# Altium PCB STM32-ROMI_Rev_A_Reworks.PcbDoc (part 1 of 2)
Units mil, origin at the board's own origin, x right, y up, seen from the top; angles counter-clockwise.
Board outline 3630.03 x 5139.28 mil, 4 copper layers (Top Copper, GND1, Power1, Bottom Copper), stack 61.811 mil thick; 199 components, 162 nets, 718 pads, 364 vias.
Unrouted connection lines stored in the file: 8.
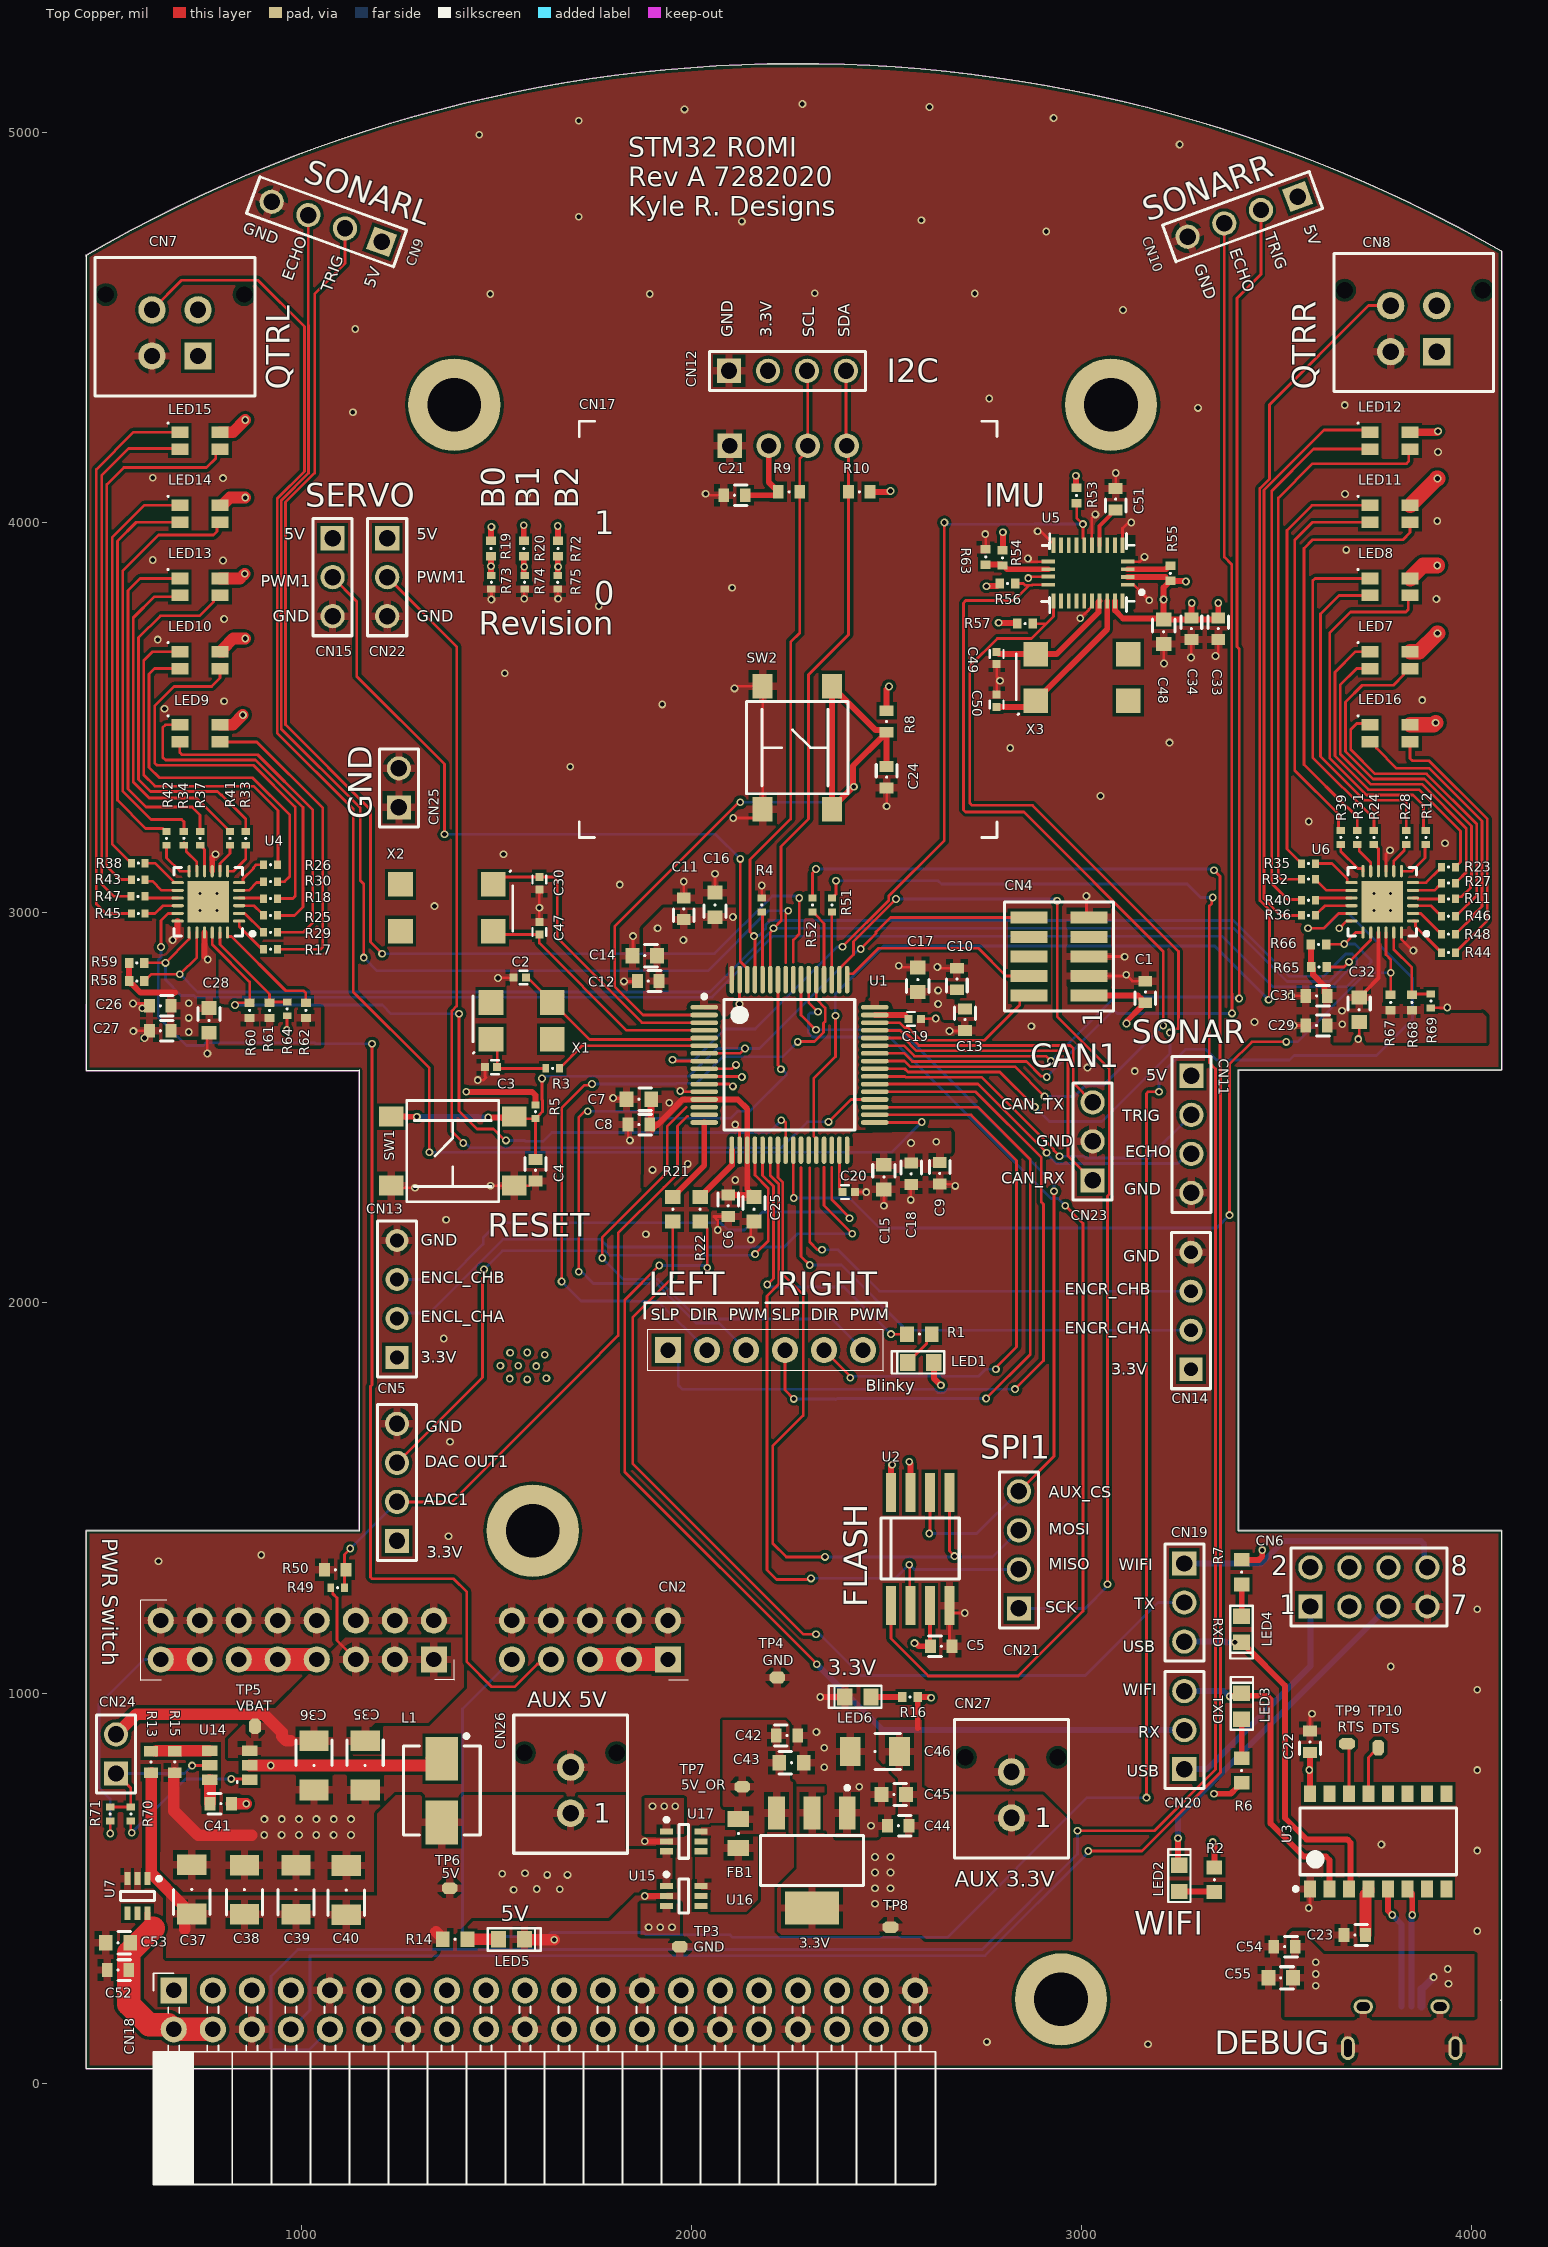
[diagram p0: Top Copper view]
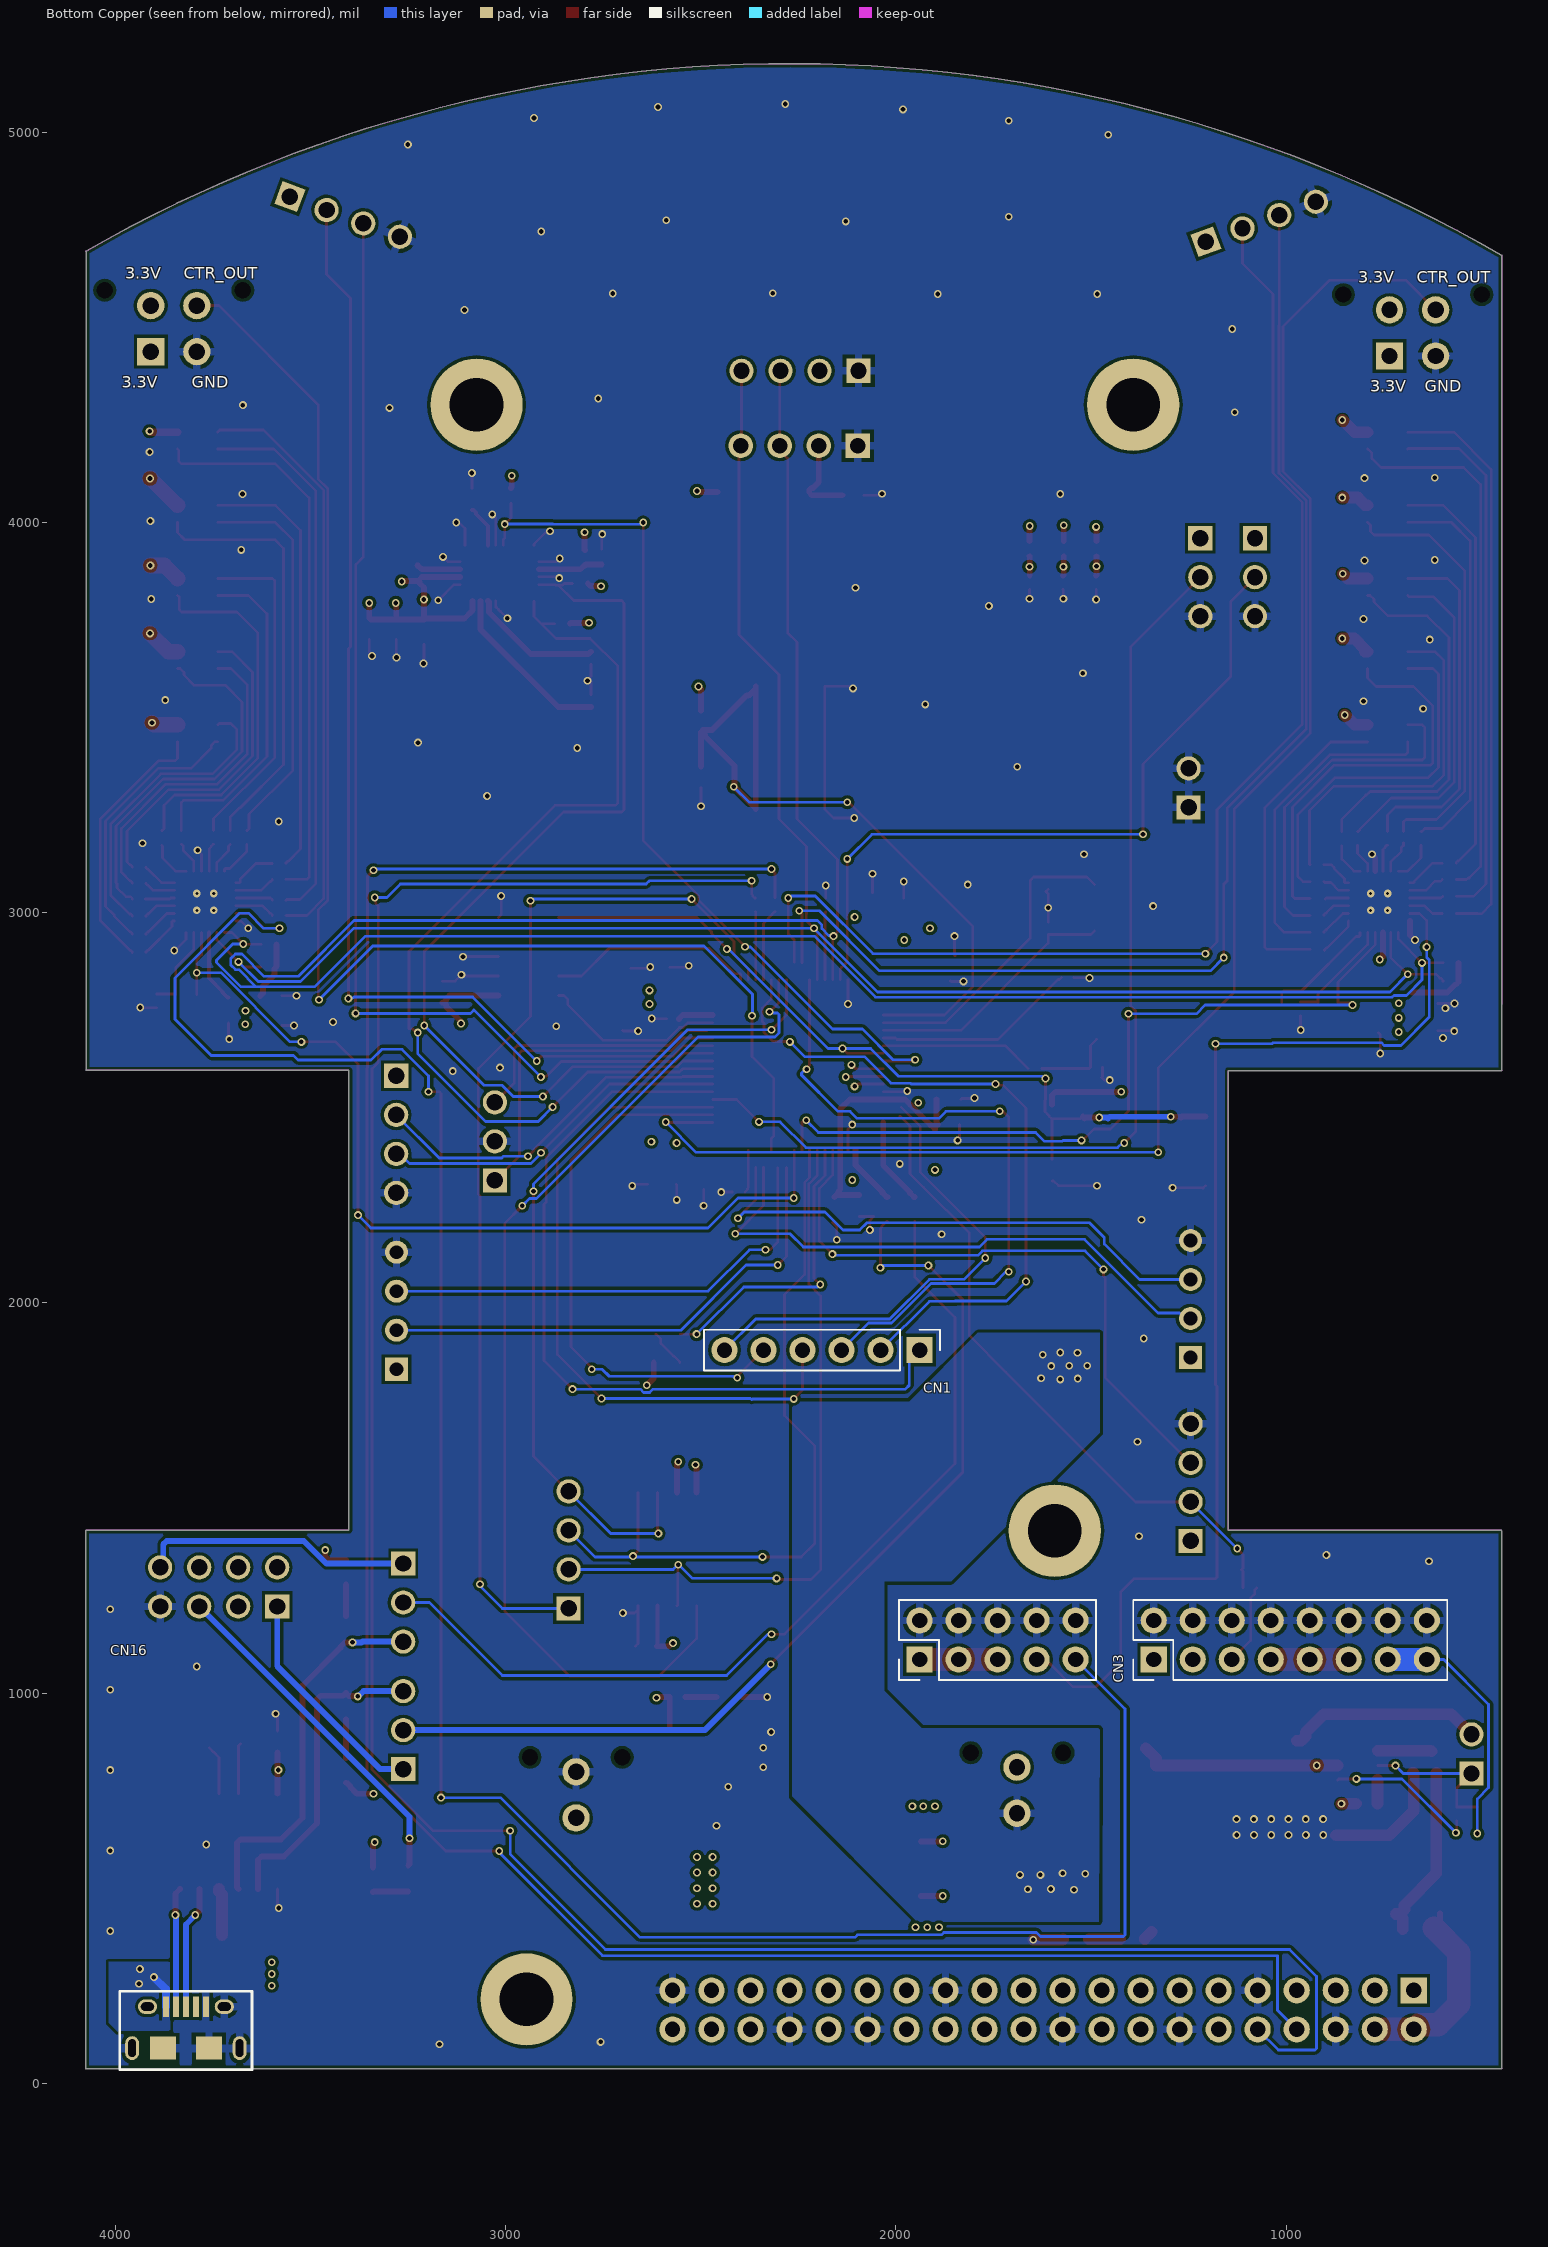
[diagram p1: Bottom Copper view, seen from below]
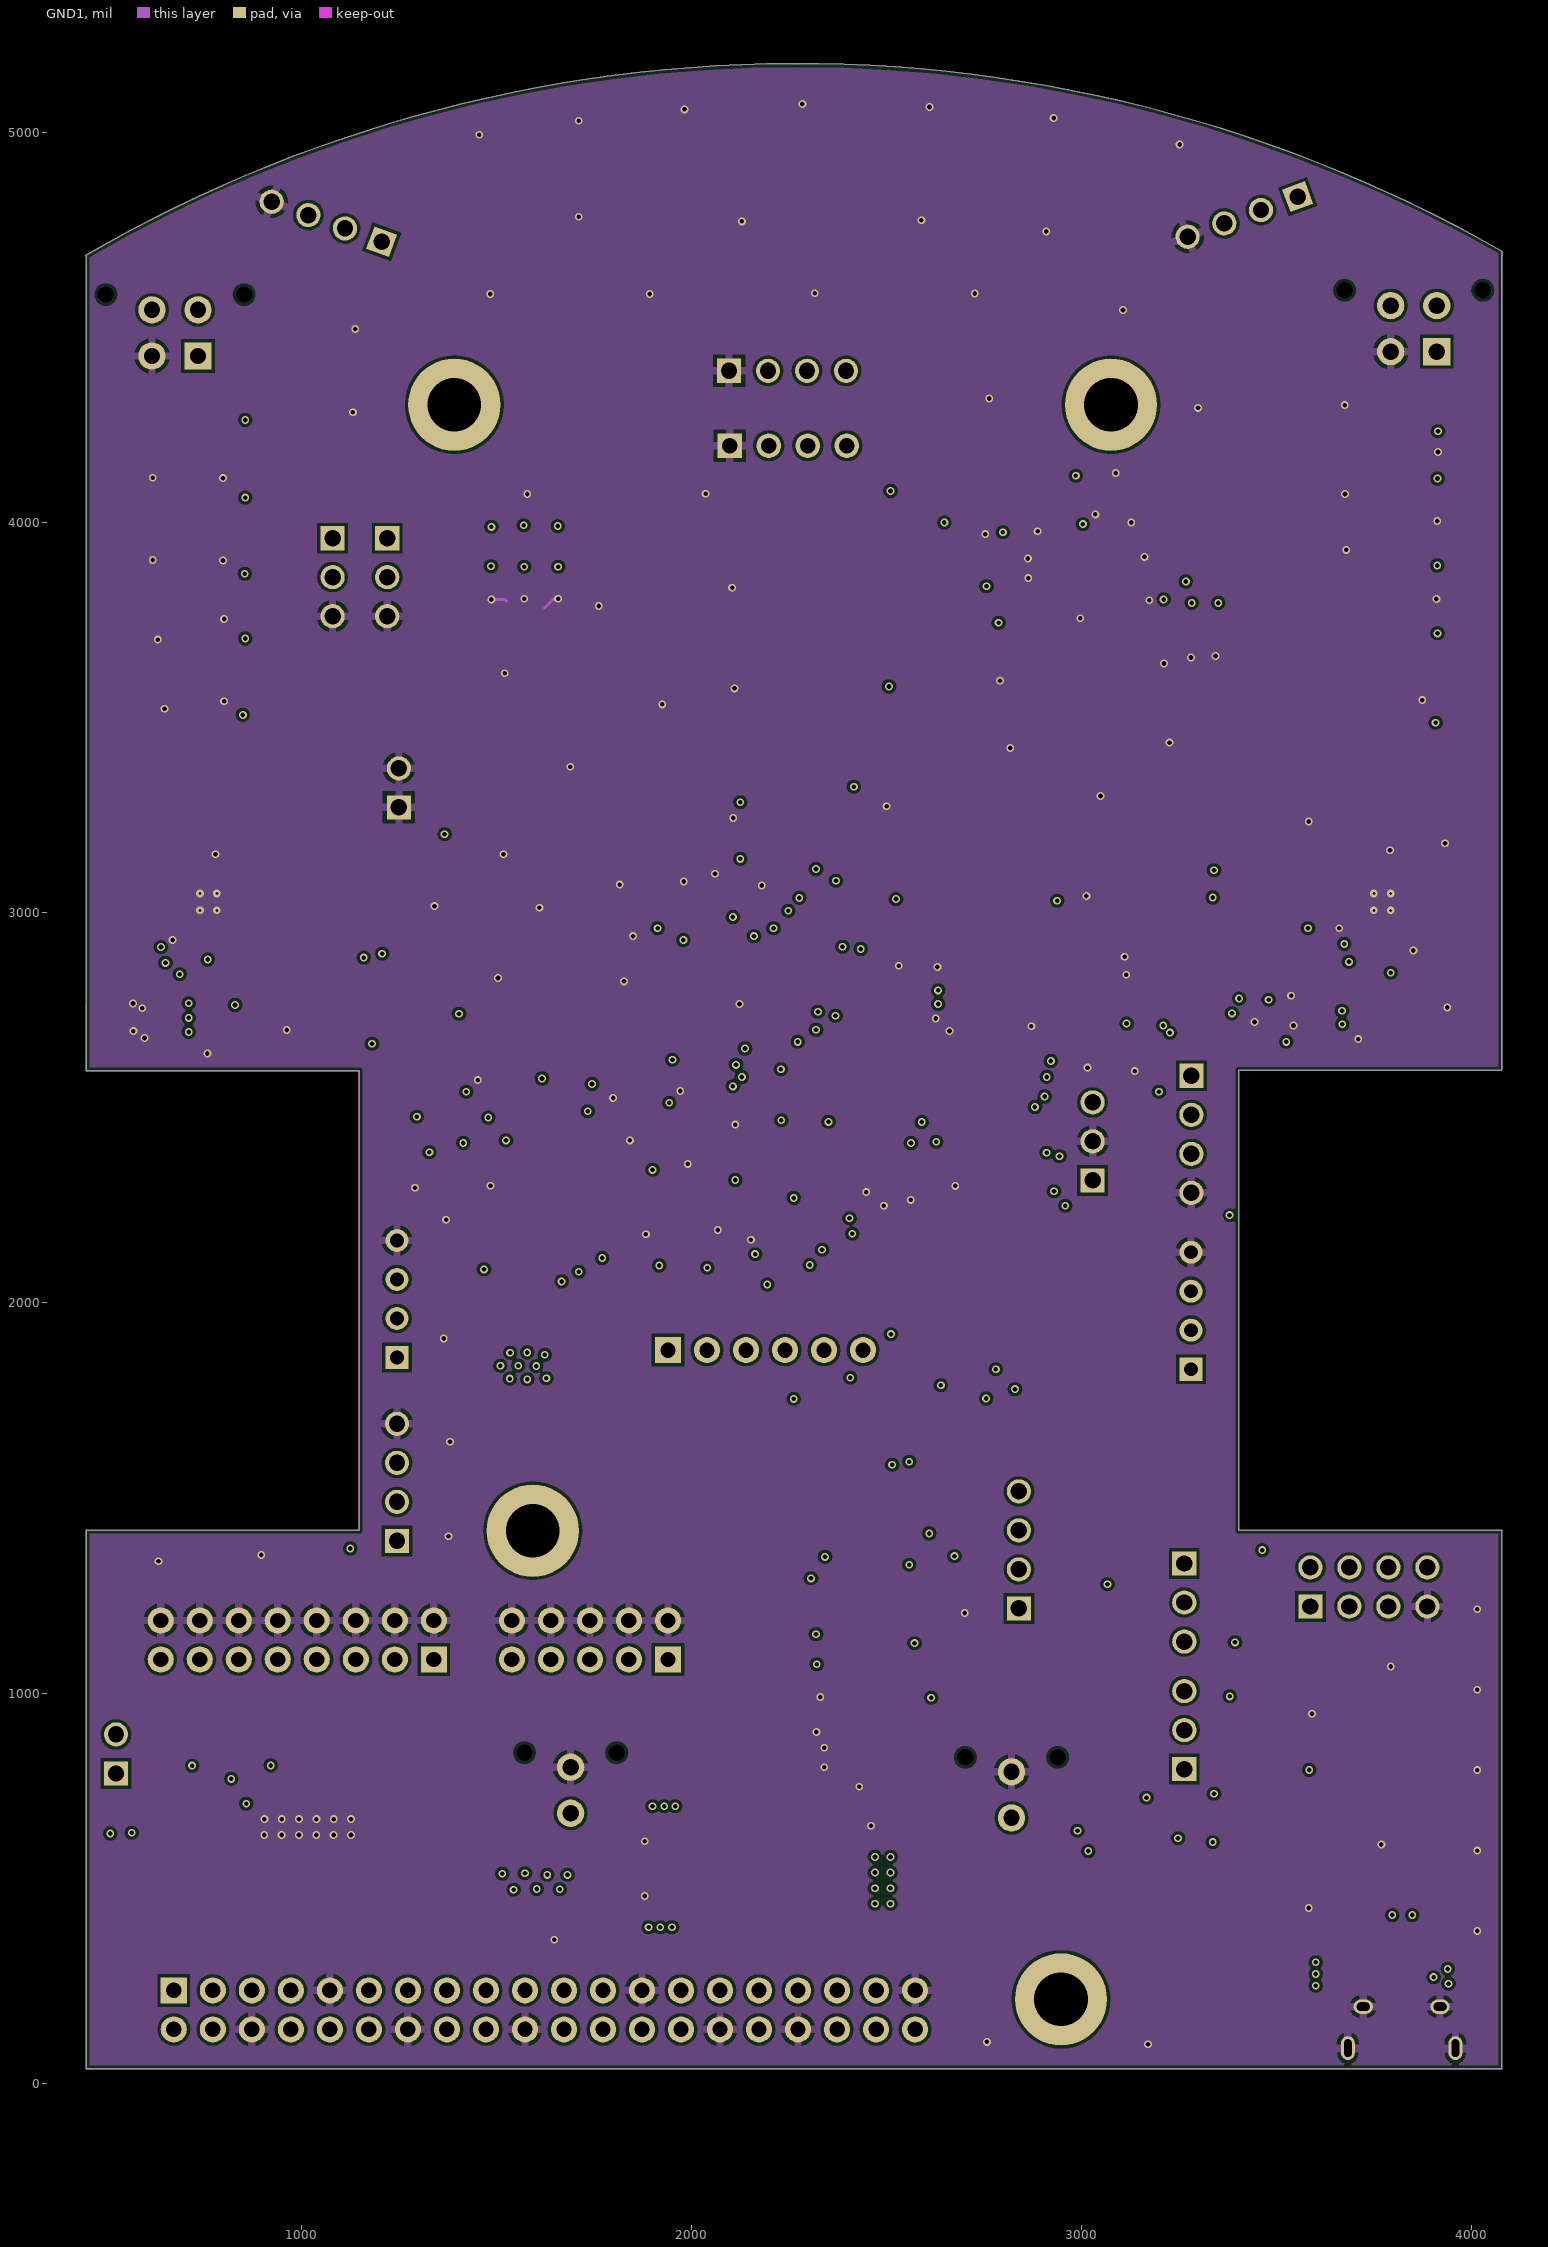
[diagram p2: GND1]